# Altium PCB PCB1.PcbDoc
Units mil, origin at the board's own origin, x right, y up, seen from the top; angles counter-clockwise.
Board outline 6000 x 4000 mil, 2 copper layers (Top Layer, Bottom Layer); 29 components, 46 nets, 152 pads, 0 vias.
Unrouted connection lines stored in the file: 97.
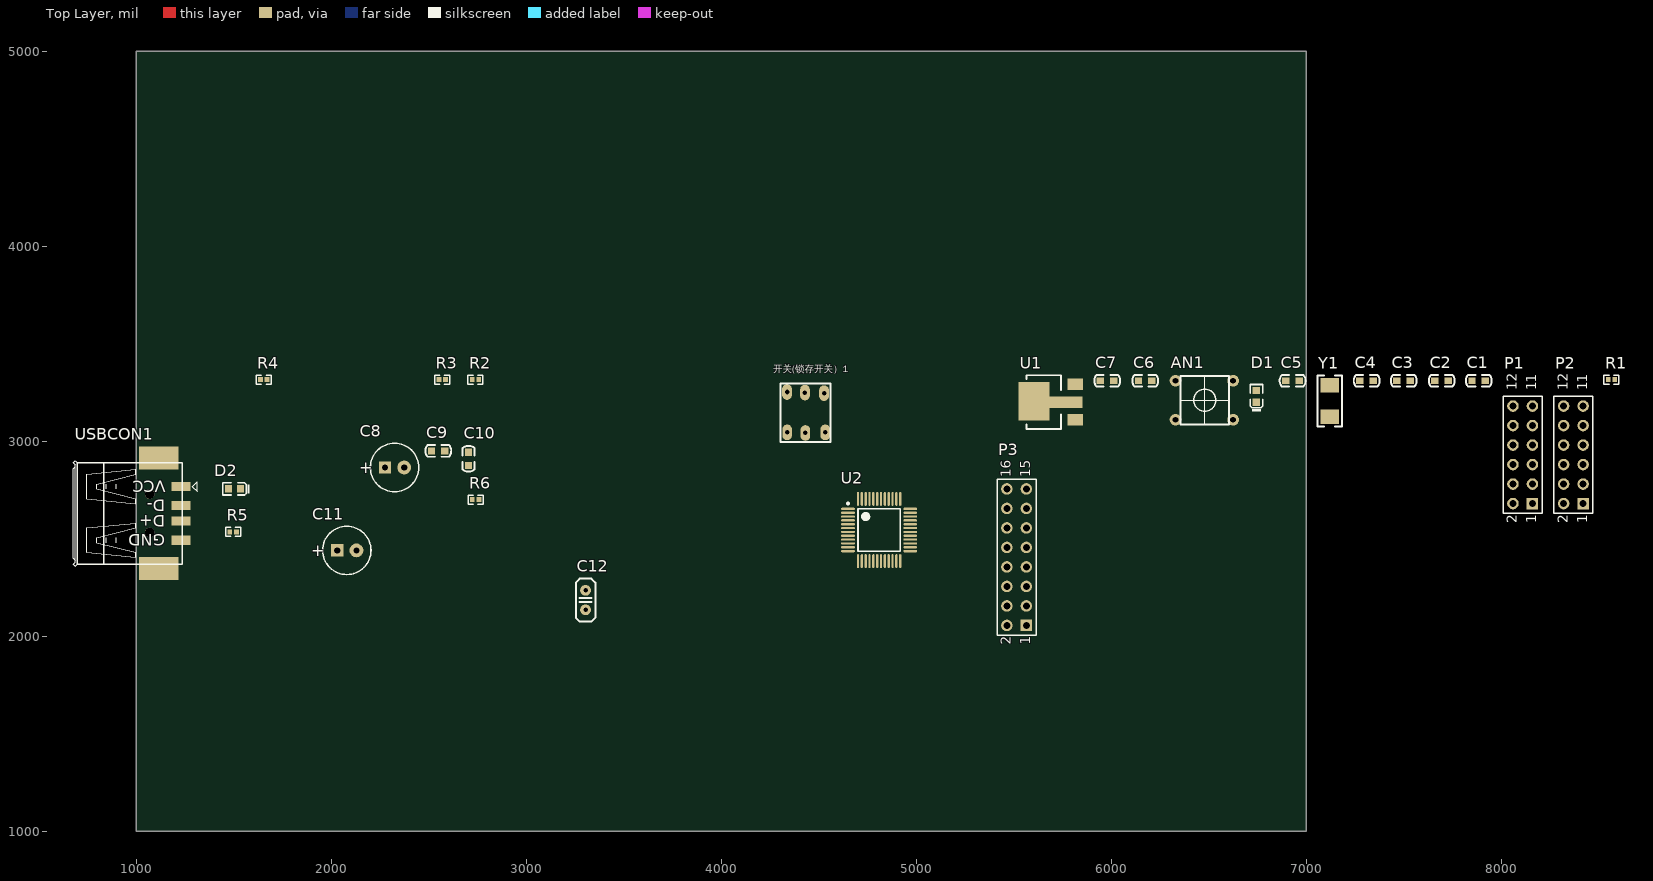
[diagram p0: Top Layer view]
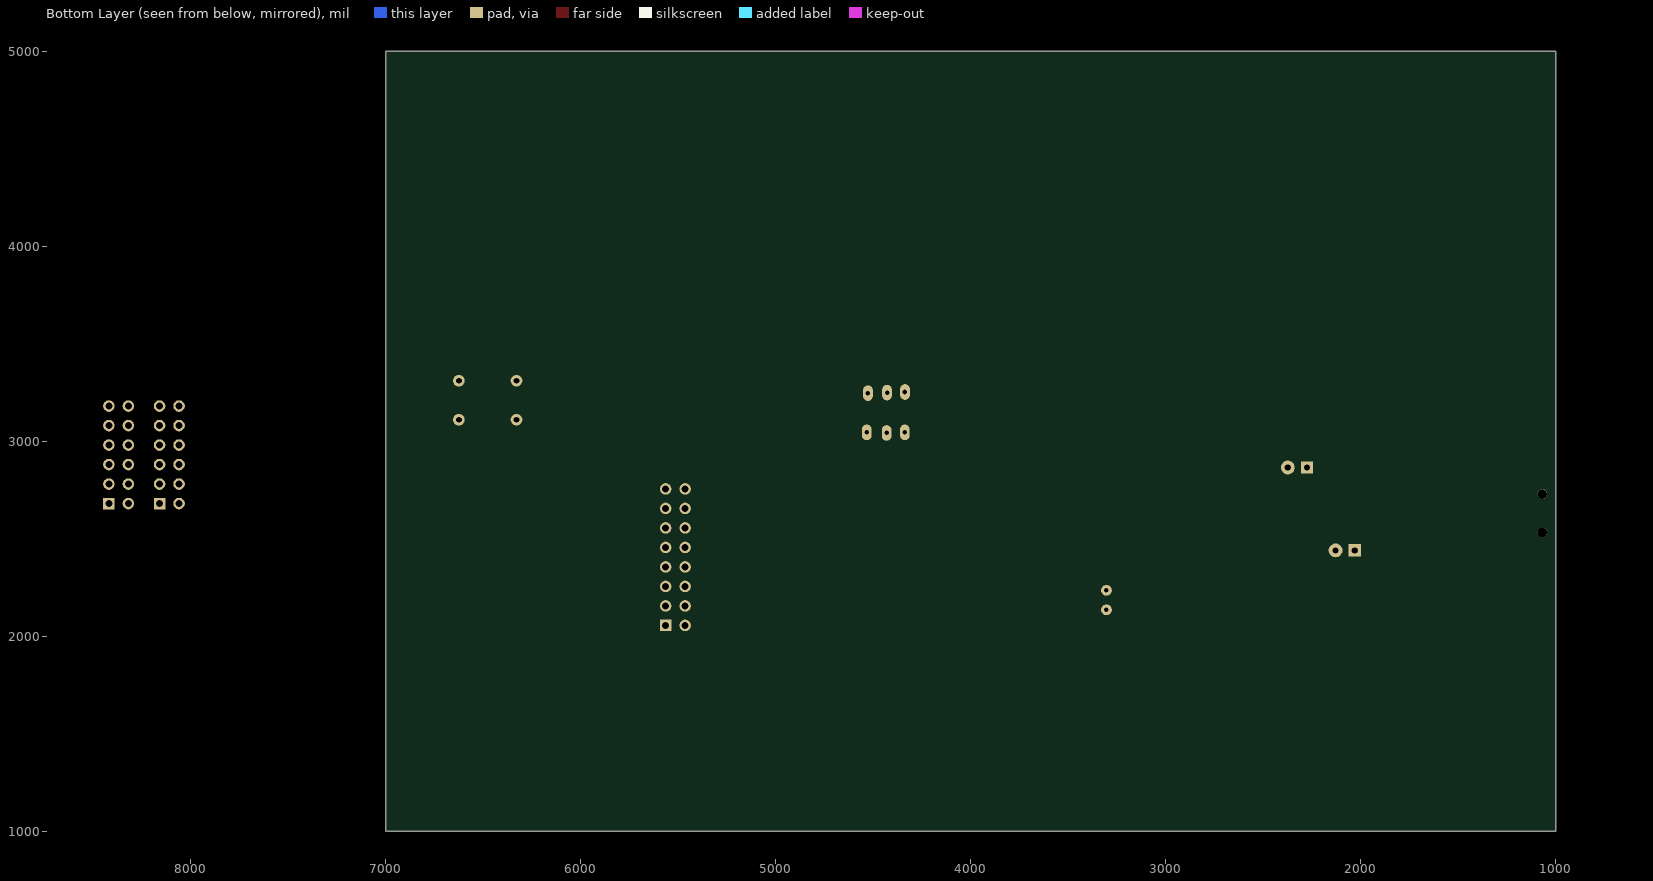
[diagram p1: Bottom Layer view, seen from below]

## Layer stack, top to bottom
Top Solder: solder mask 0.4, Solder Resist, Dk 3.5
Top Layer: signal copper 1.4
Dielectric 1: dielectric 12.6, FR-4, Dk 4.8
Bottom Layer: signal copper 1.4
Bottom Solder: solder mask 0.4, Solder Resist, Dk 3.5

## Board outline
1000,1000 7000,1000 7000,5000 1000,5000

## Design rules (kind name [scope] priority, off if disabled: settings)
Clearance [All] p1: gap=7 ignorepadtopadclearanceinfootprint=FALSE except(0: Arc-Hole Track-Hole SMDPad-Hole THPad-Hole Via-Hole Fill-Hole Poly-Hole Region-Hole Text-Hole)
PolygonConnect [All] p1: connectstyle=Direct reliefconductorwidth=10 reliefentries=4 polygonreliefangle="90 Angle" airgapwidth=10
RoutingVias [All] p1: holewidth=28 width=50 viastyle="Through Hole" minholewidth=28 minwidth=50 maxholewidth=28 maxwidth=50
SolderMaskExpansion [All] p1: expansion=4
Width [All] p1: maxlimit=10 minlimit=10 preferedwidth=10
30 further rules are at their usual default settings.

## Components (designator, comment, footprint, x,y, rotation, side; value= is the part's Value field where it differs from the comment)
AN1 "Button" BUTTON-DIP 6330,3110 r0 top
C1 "Cap Chip 0603" C0603 7850,3310 r0 top value=105
C2 "Cap Chip 0603" C0603 7660,3310 r0 top value=104
C3 "Cap Chip 0603" C0603 7465,3310 r0 top value=105
C4 "Cap Chip 0603" C0603 7275,3310 r0 top value=CAP
C5 "Cap Chip 0603" C0603 6895,3310 r0 top value=105
C6 "Cap Chip 0603" C0603 6140,3310 r0 top value=104
C7 "Cap Chip 0603" C0603 5945,3310 r0 top value=105
C8 "Cap Pol 2.5x6.3" CAPPR2.5-6.3X11 2325.79,2865 r0 top value=100uF
C9 "Cap Chip 0603" C0603 2515,2950 r0 top value=105
C10 "Cap Chip 0603" C0603 2705,2875 r90 top value=105
C11 "Cap Pol 2.5x6.3" CAPPR2.5-6.3X11 2080.79,2440 r0 top value=100uF
C12 "Cap Nicklon" Capacitor-Disk-Middle 3305,2135 r90 top
D1 "绿灯 0603" LC-0603_LED_S1 6745,3230 r90 top
D2 "红灯 0603" LC-0603_LED_S1 1505,2755 r180 top
P1 "Header 6X2" HDR2X6 8160,2680 r90 top
P2 "Header 6X2" HDR2X6 8420,2680 r90 top
P3 "Header 8X2" HDR2X8 5565,2055 r90 top
R1 "10KΩ (1501) ±1%" LC-0402_R 8565,3315 r0 top
R2 "4.7Ω (1501) ±1%" LC-0402_R 2740,3315 r0 top
R3 "22Ω (1501) ±1%" LC-0402_R 2570,3315 r0 top
R4 "22Ω (1501) ±1%" LC-0402_R 1655,3315 r0 top
R5 "1KΩ (1501) ±1%" LC-0402_R 1498.27,2535 r0 top
R6 "10K" LC-0402_R 2741.73,2700 r0 top
U1 "AMS1117-XX" SOT-223-4 5710,3200 r0 top
U2 "STM32F103C8T6" LQFP48_N 4810.16,2544.45 r0 top
USBCON1 "USB-4P" USB-A-SMT 1075,2620 r270 top
Y1 "8M" LC-SMD-5032_2P 7120,3205 r90 top
开关(锁存开关）1 "开关(锁存开关）" 开关(锁存开关） 4445,3145 r90 top

## Footprints (in the part's own frame and the unit in brackets; to place one, negate y for a bottom-side part, rotate by r counter-clockwise, add the part's x,y. Pads: shape width x height; smd on the part's side, far side on the other; paste and mask are expansions set on the pad)
BUTTON-DIP [mil]
  round 60 hole 30: 1(0,0) 1(295.28,0) 2(0,200) 2(295.28,200)
  silkscreen extent 25,-25 275,225, body extent -29,-30 325,230, height 181
C0603 [mil]
  rect 38x35 smd: 1(0,0) 2(69,0)
  silkscreen extent -31,-30 101,30, body extent 4,-16 67,16, height 12
Capacitor-Disk-Middle [mm]
  round 1.4 hole 0.6: 1(0,0) 2(2.54,0)
  silkscreen extent -1.52,-1.27 4.06,1.27, body extent -1.23,-1.1 3.77,1, height 7
CAPPR2.5-6.3X11 [mm]
  rect 1.6x1.6 hole 0.8: 1(-1.25,0)
  round 1.8 hole 0.8: 2(1.25,0)
  silkscreen extent -3.15,-3.15 3.15,3.15, body extent -3.15,-3.14 3.15,3.15, height 11
HDR2X6 [mm] "Connector; Header; 6x2 Position"
  rect 1.5x1.5 hole 0.9: 1(0,0)
  round 1.5 hole 0.9: 2(0,2.54) 3(2.54,0) 4(2.54,2.54) 5(5.08,0) 6(5.08,2.54) 7(7.62,0) 8(7.62,2.54) 9(10.16,0) 10(10.16,2.54) 11(12.7,0) 12(12.7,2.54)
  silkscreen extent -1.27,-1.27 13.97,3.81, body extent -1.27,-1.27 13.97,3.81, height 8.54
HDR2X8 [mm] "Connector; Header; 8x2 Position"
  rect 1.5x1.5 hole 0.9: 1(0,0)
  round 1.5 hole 0.9: 2(0,2.54) 3(2.54,0) 4(2.54,2.54) 5(5.08,0) 6(5.08,2.54) 7(7.62,0) 8(7.62,2.54) 9(10.16,0) 10(10.16,2.54) 11(12.7,0) 12(12.7,2.54) 13(15.24,0) 14(15.24,2.54) 15(17.78,0) 16(17.78,2.54)
  silkscreen extent -1.27,-1.27 19.05,3.81, body extent -1.27,-1.27 19.05,3.81, height 8.54
LC-0402_R [mm]
  rect 0.6x0.65 smd mask+0.051: 1(-0.425,0) 2(0.425,0)
  silkscreen extent -0.97,-0.58 0.97,0.58, body extent -0.57,-0.27 0.58,0.28, height 0.41
LC-0603_LED_S1 [mm]
  rect 0.93x0.98 smd: A(0.77,0) K(-0.77,0)
  silkscreen extent -1.98,-0.79 1.54,0.79, body extent -0.8,-0.4 0.8,0.4, height 0.6
LC-SMD-5032_2P [mm]
  rect 1.9x2.4 smd: 1(-2.05,0) 2(2.05,0)
  silkscreen extent -3.32,-1.6 3.32,1.6
LQFP48_N [mm]
  oval 1.8x0.3 smd: 1(-4.05,2.75) 2(-4.05,2.25) 3(-4.05,1.75) 4(-4.05,1.25) 5(-4.05,0.75) 6(-4.05,0.25) 7(-4.05,-0.25) 8(-4.05,-0.75) 9(-4.05,-1.25) 10(-4.05,-1.75) 11(-4.05,-2.25) 12(-4.05,-2.75) 25(4.05,-2.75) 26(4.05,-2.25) 27(4.05,-1.75) 28(4.05,-1.25) 29(4.05,-0.75) 30(4.05,-0.25) 31(4.05,0.25) 32(4.05,0.75) 33(4.05,1.25) 34(4.05,1.75) 35(4.05,2.25) 36(4.05,2.75)
  oval 0.3x1.8 smd: 13(-2.75,-4.05) 14(-2.25,-4.05) 15(-1.75,-4.05) 16(-1.25,-4.05) 17(-0.75,-4.05) 18(-0.25,-4.05) 19(0.25,-4.05) 20(0.75,-4.05) 21(1.25,-4.05) 22(1.75,-4.05) 23(2.25,-4.05) 24(2.75,-4.05) 37(2.75,4.05) 38(2.25,4.05) 39(1.75,4.05) 40(1.25,4.05) 41(0.75,4.05) 42(0.25,4.05) 43(-0.25,4.05) 44(-0.75,4.05) 45(-1.25,4.05) 46(-1.75,4.05) 47(-2.25,4.05) 48(-2.75,4.05)
  silkscreen extent -4.17,-2.75 2.75,3.57, body extent -4.5,-4.44 4.5,4.56, height 1.56
SOT-223-4 [mm]
  rect 2x1.5 smd: 1(2.687,-2.3) 3(2.687,2.3)
  rect 4x5 smd: 2(-2.687,0.1)
  rect 5x1.5 smd: 2(1.137,0)
  silkscreen extent -3.69,-3.5 0.81,3.5, body extent -3.61,-3.25 3.35,3.25, height 1.7
USB-A-SMT [mm]
  rect 1.2x2.5 smd: 1(-3.754,3.973) 2(-1.254,3.973) 3(0.746,3.973) 4(3.246,3.973)
  rect 3x5.15 smd: 5(6.946,1.073) 6(-7.454,1.073)
  round 1.25 hole 1.25 unplated: 7(-2.754,-0.127) 8(2.246,-0.127)
  silkscreen extent -7.11,-10.1 6.61,6.06
开关(锁存开关） [mil]
  oval 80x50 hole 23.11: 1(-100,106) 2(-103,13) 3(-100,-89) 4(101,-83) 5(104,15) 6(107,107)
  silkscreen extent -150,-115 150,140, body extent -165,-157 170,178, height 551

## Part data
C1 C2 C3 C4 C5 C6 C7 C9 C10: "Polarized Capacitor (Radial)", Published=8-Jun-2000, Publisher="Altium Limited", Revision="July-2002: Re-released for DXP Platform."
C8 C11: "Polarized Capacitor (Radial)", Voltage=16V, Published=8-Jun-2000, Publisher="Altium Limited", Revision="July-2002: Re-released for DXP Platform."
C12: "Capacitor", Voltage=63V, C?=0.1uF/3.3v, Published=8-Jun-2000, Publisher="Altium Limited", Revision="July-2002: Re-released for DXP Platform."
D1: library part "0603 绿灯", "发光二极管", Package=0603, SuppliersPartNumber=C72043, ComponentLink1Description=供应商链接, ComponentLink1URL=http://www.szlcsc.com/product/details_73152.html, Supplier=LC
D2: library part "0603 红灯", "发光二极管", Package=0603, SuppliersPartNumber=C2286, ComponentLink1Description=供应商链接, ComponentLink1URL=http://www.szlcsc.com/product/details_2659.html, Supplier=LC
P1 P2: "Header, 6-Pin, Dual row", LatestRevisionDate=17-Jul-2002, LatestRevisionNote="Re-released for DXP Platform.", Publisher="Altium Limited"
P3: "Header, 8-Pin, Dual row", LatestRevisionDate=17-Jul-2002, LatestRevisionNote="Re-released for DXP Platform.", Publisher="Altium Limited"
R1 R2 R3 R4 R5 R6: library part "0402 1.5KΩ (1501) 1%", "贴片电阻", Package=0402, SuppliersPartNumber=C25867, ComponentLink1Description=供应商链接, ComponentLink1URL=http://www.szlcsc.com/product/details_26610.html, Supplier=LC
U1: "AMS   800mA LOW DROPOUT VOLTAGE REGULATOR"
U2: "STM32 ARM-based 32-bit MCU with 64 Kbytes Flash, 48-pin LQFP, Industrial Temperature"
USBCON1: "USB CONNECTOR"
Y1: library part "SMD-5032_2P 8MHz 20ppm 20pF", "贴片晶振", Package=SMD-5032_2P, SuppliersPartNumber=C18560, ComponentLink1Description=供应商链接, ComponentLink1URL=http://www.szlcsc.com/product/details_19261.html, Supplier=LC
AN1: LatestRevisionDate=17-Jul-2002, LatestRevisionNote="Re-released for DXP Platform.", PackageReference=SPST-2, Published=24-Mar-1999, Publisher="Altium Limited"

## Nets (pads, with @x,y where several pads share a name; then routed paths per layer and width w, separated by ;. In a path a pad name is that pad's centre, name@x,y a point inside that pad or via, vN(x,y) a via of type N, cw(c..) or ccw(c..) an arc to the next point about the centre after c; other vN are vias at no path point)
3.3v: C1.2 C3.2 C5.2 C7.2 C10.2 C11.2 P2.2 P3.16 R1.2 R5.1 U1.2
5v: P1.1 P1.3 R2.2 USBCON1.1 开关(锁存开关）1.2
GND: AN1.2 C1.1 C2.1 C3.1 C4.1 C5.1 C6.1 C7.1 C8.1 C9.1 C10.1 C11.1 C12.1 D1.K P1.2 P2.1 P3.15 R6.1 U1.1 U2.8 U2.23 U2.35 U2.47 USBCON1.4 USBCON1.5 USBCON1.6
NetC4_2: C4.2 R1.1
NetC8_2: C8.2 C9.2 U1.3 开关(锁存开关）1.1
NetC12_2: C12.2 D2.K U2.1 U2.9 U2.24 U2.36 U2.48
NetD2_A: D2.A R5.2
NetR3_2: R3.2 USBCON1.2
NetR4_2: R4.2 USBCON1.3
NetR6_2: R6.2 U2.44
NRST: AN1.1 D1.A U2.7
"OSC8M IN": C2.2 U2.5 Y1.2
"OSC8M OUT": C6.2 U2.6 Y1.1
PA0: P3.2 U2.10
PA1: P3.3 U2.11
PA2: P3.4 U2.12
PA3: P3.5 U2.13
PA4: P3.6 U2.14
PA5: P3.7 U2.15
PA6: P3.8 U2.16
PA7: P3.9 U2.17
PA8: P2.7 U2.29
PA9: P2.8 U2.30
PA10: P2.5 U2.31
PA11: P2.6 R3.1 U2.32
PA12: P2.3 R2.1 R4.1 U2.33
PA13: P2.4 U2.34
PA14: P1.12 U2.37
PA15: P1.11 U2.38
PB0: P3.10 U2.18
PB1: P3.11 U2.19
PB2: P3.12 U2.20
PB3: P1.10 U2.39
PB4: P1.9 U2.40
PB5: P1.8 U2.41
PB6: P1.7 U2.42
PB7: P1.6 U2.43
PB8: P1.5 U2.45
PB9: P1.4 U2.46
PB10: P3.13 U2.21
PB11: P3.14 U2.22
PB12: P2.11 U2.25
PB13: P2.12 U2.26
PB14: P2.9 U2.27
PB15: P2.10 U2.28
PC13: P3.1 U2.2
pads on no net: U2.3 U2.4 USBCON1.7 USBCON1.8 开关(锁存开关）1.3 开关(锁存开关）1.4 开关(锁存开关）1.5 开关(锁存开关）1.6

## Text inside footprints (layer, text, board x,y; h text height)
C8: Top Overlay "+" at 2143.7,2835.47 h59.06
C11: Top Overlay "+" at 1898.7,2410.47 h59.06
P1: Top Overlay "2" at 8080,2580 h50 r90; Top Overlay "1" at 8180,2580 h50 r90; Top Overlay "1" at 8180,3260 h50 r90; Top Overlay "1" at 8180,3300 h50 r90; Top Overlay "12" at 8080,3260 h50 r90
P2: Top Overlay "2" at 8340,2580 h50 r90; Top Overlay "1" at 8440,2580 h50 r90; Top Overlay "1" at 8440,3260 h50 r90; Top Overlay "1" at 8440,3300 h50 r90; Top Overlay "12" at 8340,3260 h50 r90
P3: Top Overlay "2" at 5485,1955 h50 r90; Top Overlay "1" at 5585,1955 h50 r90; Top Overlay "15" at 5585,2815 h50 r90; Top Overlay "16" at 5485,2815 h50 r90
USBCON1: Top Overlay "GND" at 1149.25,2521.54 h60 r180; Top Overlay "D+" at 1149.25,2619.96 h60 r180; Top Overlay "D-" at 1149.25,2698.7 h60 r180; Top Overlay "VCC" at 1153.19,2797.13 h60 r180